# Altium PCB V1.3.PcbDoc
Units mm, origin at the board's own origin, x right, y up, seen from the top; angles counter-clockwise.
Board outline 55 x 36.92 mm, 2 copper layers (Top Layer, Bottom Layer); 80 components, 53 nets, 254 pads, 205 vias.
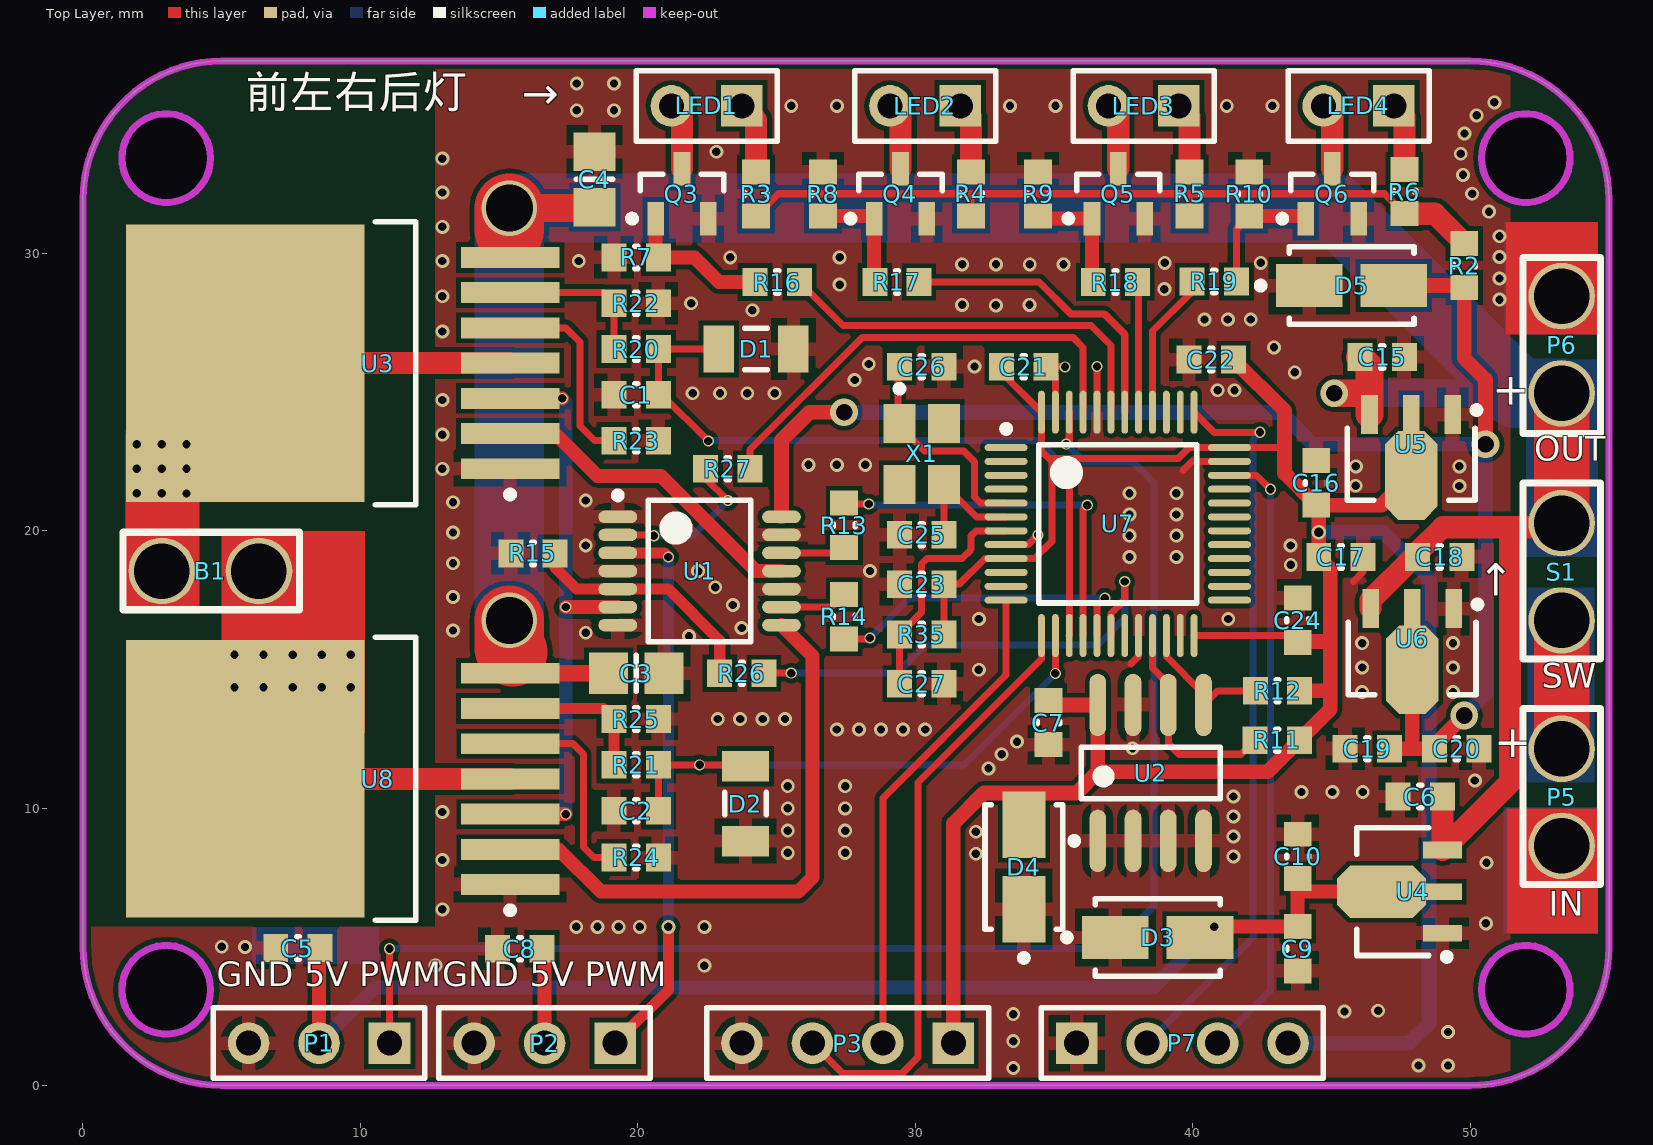
[diagram p0: Top Layer view]
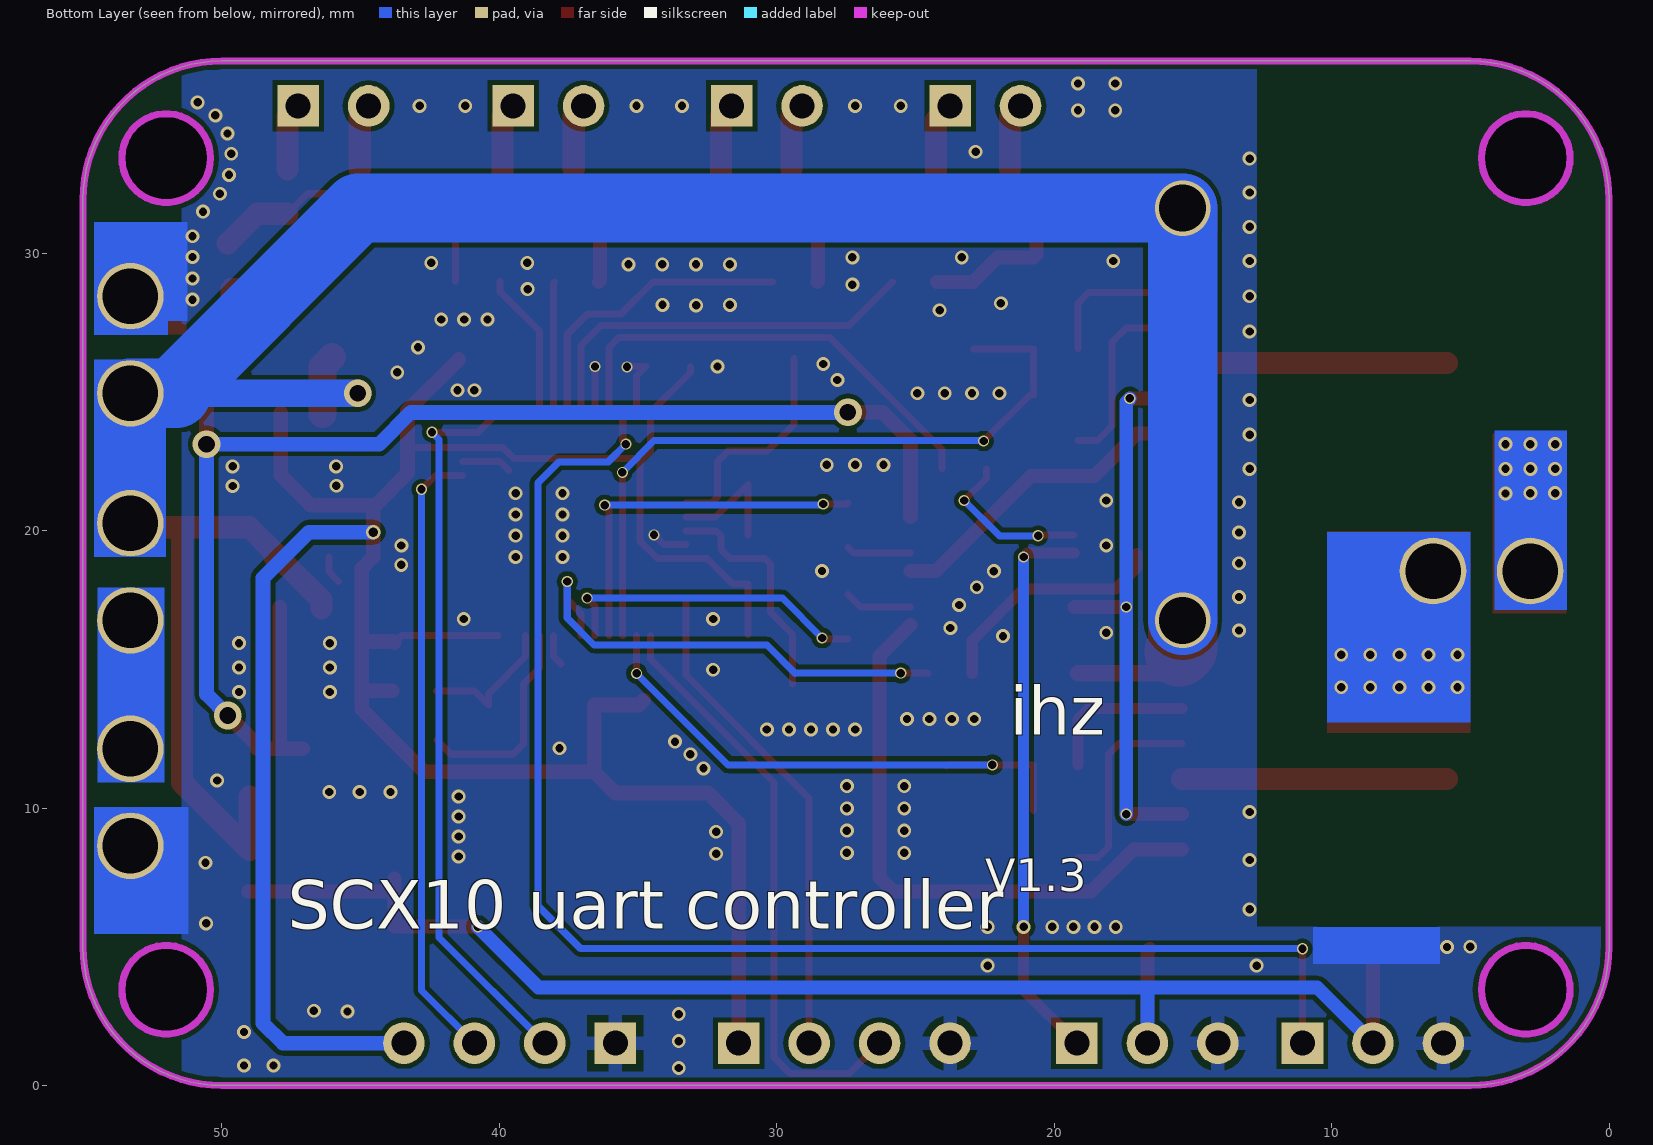
[diagram p1: Bottom Layer view, seen from below]

## Layer stack, top to bottom
Top Solder: solder mask 0.0102, Solder Resist, Dk 3.5
Top Layer: signal copper 0.0356
Dielectric 1: dielectric 0.32, FR-4, Dk 4.8
Bottom Layer: signal copper 0.0356
Bottom Solder: solder mask 0.0102, Solder Resist, Dk 3.5

## Board outline
5,0 cw(c5,5) 0,5 0,31.924 cw(c5,31.924) 5,36.924 50,36.924 cw(c50,31.924) 55,31.924 55,5 cw(c50,5) 50,0
cut-out: 52,31.824 cw(c52,33.424) 50.4,33.424 cw(c52,33.424) 52,35.024 cw(c52,33.424) 53.6,33.424 cw(c52,33.424)
cut-out: 3,31.824 cw(c3,33.424) 1.4,33.424 cw(c3,33.424) 3,35.024 cw(c3,33.424) 4.6,33.424 cw(c3,33.424)
cut-out: 50.4,3.451 ccw(c52,3.451) 52,1.851 ccw(c52,3.451) 53.6,3.451 ccw(c52,3.451) 52,5.051 ccw(c52,3.451)
cut-out: 3,1.851 cw(c3,3.451) 1.4,3.451 cw(c3,3.451) 3,5.051 cw(c3,3.451) 4.6,3.451 cw(c3,3.451)

## Design rules (kind name [scope] priority, off if disabled: settings)
Clearance Clearance_1 [All] p1: gap=0.17 ignorepadtopadclearanceinfootprint=FALSE
Clearance [All vs InPolygon] p2: gap=0.5 ignorepadtopadclearanceinfootprint=FALSE
PolygonConnect [All] p1: connectstyle=Relief reliefconductorwidth=0.5 reliefentries=4 polygonreliefangle="90 Angle" airgapwidth=0.254
RoutingVias [All] p1: holewidth=0.3 width=0.4 viastyle="Through Hole" minholewidth=0.2 minwidth=0.3 maxholewidth=5 maxwidth=5
SolderMaskExpansion [All] p1: expansion=0.102
Width [All] p1: maxlimit=3 minlimit=0.17 preferedwidth=0.254
30 further rules are at their usual default settings.

## Classes and differential pairs
component class SCX10: C21 C22 C23 C24 C25 C26 C27 P7 R35 U7 X1
component class power: C6 C9 C10 C15 C16 C17 C18 C19 C20 D3 D4 D5 P5 P6 S1 U4 U5 U6
component class driver: B1 C1 C2 C3 C4 C5 C7 C8 D1 D2 LED1 LED2 LED3 LED4 P1 P2 P3 Q3 Q4 Q5 Q6 R2 R3 R4 R5 R6 R7 R8 R9 R10 R11 R12 R13 R14 R15 R16 R17 R18 R19 R20 R21 R22 R23 R24 R25 R26 R27 U1 U2 U3 U8

## Components (designator, comment, footprint, x,y, rotation, side; value= is the part's Value field where it differs from the comment)
B1 "Motor" 7.4V 2.842,18.542 r0 top
C1 "0.1uF" C0603 19.939,24.892 r0 top value=100pF
C2 "0.1uF" C0603 19.939,9.906 r0 top value=100pF
C3 "4.7uF/16V" 6-0805_M 19.939,14.859 r180 top value=100pF
C4 "4.7uF/16V" 6-0805_M 18.437,32.655 r270 top value=100pF
C5 "10uF" C0603 7.747,4.953 r0 top value=100pF
C6 "10uF" C0603 48.198,10.414 r0 top value=100pF
C7 "0.1uF" C0603 34.798,13.081 r90 top value=100pF
C8 "10uF" C0603 15.748,4.929 r0 top value=100pF
C9 "0.1uF" C0603 43.778,4.929 r90 top value=100pF
C10 "22uF" C0603 43.778,8.255 r270 top value=100pF
C15 "10uF" C0603 46.822,26.255 r180 top value=100pF
C16 "0.1uF" C0603 44.45,21.717 r270 top value=100pF
C17 "22uF" C0603 45.339,19.05 r180 top value=100pF
C18 "10uF" C0603 48.895,19.05 r180 top value=100pF
C19 "0.1uF" C0603 46.291,12.136 r0 top value=100pF
C20 "22uF" C0603 49.511,12.136 r180 top value=100pF
C21 "0.1uF" C0603 33.909,25.908 r180 top value=100pF
C22 "0.1uF" C0603 40.661,26.162 r0 top value=100pF
C23 "0.1uF" C0603 30.226,18.069 r0 top value=100pF
C24 "0.1uF" C0603 43.778,16.764 r270 top value=100pF
C25 "30pF" C0603 30.226,19.847 r0 top value=100pF
C26 "30pF" C0603 30.226,25.907 r180 top value=100pF
C27 "0.1uF" C0603 30.226,14.478 r180 top value=100pF
D1 "3.6V" C1206 24.257,26.543 r180 top
D2 "3.6V" C1206 23.876,10.16 r90 top
D3 "SMAJ5.0CA" DO-214AC 38.735,5.334 r0 top
D4 "SMAJ5.0CA" DO-214AC 33.909,7.874 r90 top
D5 "SMAJ5.0CA" DO-214AC 45.721,28.829 r0 top
LED1 "F_LED" HDR1X2 23.749,35.306 r180 top
LED2 "L_LED" HDR1X2 31.623,35.306 r180 top
LED3 "R_LED" HDR1X2 39.497,35.306 r180 top
LED4 "B_LED" HDR1X2 47.244,35.306 r180 top
P1 "Header 3" HDR1X3 11.049,1.524 r180 top
P2 "Header 3" HDR1X3 19.177,1.524 r180 top
P3 "Header 4" HDR1X4 31.369,1.524 r180 top
P5 "7.4V" 7.4V 53.292,8.636 r90 top
P6 "7.4V" 7.4V 53.292,28.448 r270 top
P7 "SW" HDR1X4 35.814,1.524 r0 top
Q3 "NPN" SOT23-3 21.589,32.142 r90 top
Q4 "NPN" SOT23-3 29.464,32.142 r90 top
Q5 "NPN" SOT23-3 37.314,32.142 r90 top
Q6 "NPN" SOT23-3 45.024,32.142 r90 top
R2 "0R/NC" R0603 49.784,29.553 r90 top value=1K
R3 "240R" R0603 24.257,32.131 r90 top value=1K
R4 "240R" R0603 32.004,32.131 r90 top value=1K
R5 "240R" R0603 39.881,32.131 r90 top value=1K
R6 "240R" R0603 47.625,32.219 r90 top value=1K
R7 "10K" R0603 19.939,29.845 r180 top value=1K
R8 "10K" R0603 26.67,32.131 r90 top value=1K
R9 "10K" R0603 34.42,32.131 r90 top value=1K
R10 "10K" R0603 42.037,32.131 r90 top value=1K
R11 "10K" R0603 43.041,12.446 r0 top value=1K
R12 "10K" R0603 43.053,14.224 r0 top value=1K
R13 "4.7K" R0603 27.432,20.193 r270 top value=1K
R14 "4.7K" R0603 27.432,16.891 r90 top value=1K
R15 "4.7K" R0603 16.218,19.177 r0 top value=1K
R16 "1K" R0603 25.019,28.956 r180 top
R17 "1K" R0603 29.337,28.956 r180 top
R18 "1K" R0603 37.211,28.956 r180 top
R19 "1K" R0603 40.767,28.979 r0 top
R20 "1K" R0603 19.939,26.543 r180 top
R21 "1K" R0603 19.939,11.557 r0 top
R22 "510R" R0603 19.939,28.194 r0 top value=1K
R23 "510R" R0603 19.939,23.241 r0 top value=1K
R24 "510R" R0603 19.939,8.217 r0 top value=1K
R25 "510R" R0603 19.939,13.208 r0 top value=1K
R26 "4.7K" R0603 23.749,14.853 r180 top value=1K
R27 "4.7K" R0603 23.241,22.225 r180 top value=1K
R35 "10K" R0603 30.226,16.256 r0 top value=1K
S1 "SW-PB" 7.4V 53.292,16.764 r90 top
U1 "SN74LV125A-PW" TSSOP-14 22.225,18.542 r0 top
U2 "24C02" SOP-8 38.481,11.266 r90 top
U3 "BTN7971B" "INF-PG-TO263-7-1_L - Cloned" 9.342,26.035 r180 top
U4 "AMS1117-5V" SOT-89#1 47.923,6.985 r180 top
U5 "AMS1117-3.3V" SOT-89#2 47.87,23.114 r270 top
U6 "AMS1117-5V" SOT-89#2 47.906,16.111 r270 top
U7 "STM32F103C8T6" STM-LQFP48-L 37.296,20.24 r0 top
U8 "BTN7971B" "INF-PG-TO263-7-1_L - Cloned" 9.342,11.049 r180 top
X1 "8M" XTAL-8M 30.226,22.762 r270 top

## Footprints (in the part's own frame and the unit in brackets; to place one, negate y for a bottom-side part, rotate by r counter-clockwise, add the part's x,y. Pads: shape width x height; smd on the part's side, far side on the other; paste and mask are expansions set on the pad)
6-0805_M [mm] "Chip Resistor, Body 2.0x1.2mm, IPC Low Density"
  rect 1.4x1.5 smd: 1(-1,0) 2(1,0)
  silkscreen extent 0,-0.65 0,0.65, body extent -1.07,-0.7 1.07,0.7, height 0.7
7.4V [mm]
  round 2.4 hole 2: 1(0,0) 2(3.5,0)
  silkscreen extent -1.4,-1.4 4.95,1.4
C0603 [mm]
  rect 0.9x1 smd: 1(-0.8,0) 2(0.8,0)
  silkscreen extent -0.05,-0.4 0.05,0.4, body extent -0.87,-0.48 0.88,0.47, height 1
C1206 [mm] "Chip Capacitor, Body 3.2x1.6mm, IPC High Density"
  rect 1.1x1.7 smd: 1(-1.35,0) 2(1.35,0)
  silkscreen extent -0.4,-0.75 0.4,0.75, body extent -1.7,-0.9 1.7,0.9, height 1.3
DO-214AC [mm] "DO-214AC, 2-Leads, Body 4.5x2.79mm, IPC Medium Density"
  rect 2.4x1.55 smd: 1(-1.525,0) 2(1.525,0)
  silkscreen extent -3.4,-1.4 2.25,1.4, body extent -2.25,-1.4 2.25,1.39, height 2.29
HDR1X2 [mm] "Connector; Header; 2 Position"
  rect 1.5x1.5 hole 0.9: 1(0,0)
  round 1.5 hole 0.9: 2(2.54,0)
  silkscreen extent -1.27,-1.27 3.81,1.27
HDR1X3 [mm] "Connector; Header; 3 Position"
  rect 1.5x1.5 hole 0.9: 1(0,0)
  round 1.5 hole 0.9: 2(2.54,0) 3(5.08,0)
  silkscreen extent -1.27,-1.27 6.35,1.27
HDR1X4 [mm] "Connector; Header; 4 Position"
  rect 1.5x1.5 hole 0.9: 1(0,0)
  round 1.5 hole 0.9: 2(2.54,0) 3(5.08,0) 4(7.62,0)
  silkscreen extent -1.27,-1.27 8.89,1.27
"INF-PG-TO263-7-1_L - Cloned" [mm] "DPAK, 8-Leads, Body 10x9.25mm, Pitch 1.27mm, IPC High Density"
  rect 3.55x0.75 smd: 1(-6.05,3.81) 2(-6.05,2.54) 3(-6.05,1.27) 4(-6.05,0) 5(-6.05,-1.27) 6(-6.05,-2.54) 7(-6.05,-3.81)
  rect 8.6x10 smd: 8(3.5,0)
  silkscreen extent -6.18,-5.1 -1.2,5.1, body extent -2.65,-5.1 6.8,5.1, height 4.4
R0603 [mm]
  rect 0.9x1 smd: 1(-0.8,0) 2(0.8,0)
  silkscreen extent -0.05,-0.4 0.05,0.4, body extent -0.85,-0.47 0.85,0.47, height 0.6
SOP-8 [mm]
  oval 2.25x0.6 smd: 1(-2.45,1.905) 2(-2.45,0.635) 3(-2.45,-0.635) 4(-2.45,-1.905) 5(2.45,-1.905) 6(2.45,-0.635) 7(2.45,0.635) 8(2.45,1.905)
  silkscreen extent -2.57,-2.5 0.93,2.88, body extent -2,-2.5 2,2.5, height 1.95
SOT23-3 [mm]
  rect 1.2x0.6 smd: 1(-0.9,0.95) 2(-0.9,-0.95) 3(0.9,0)
  silkscreen extent -1.02,-1.5 0.7,1.92, body extent -0.7,-1.52 0.7,1.52, height 1.12
SOT-89#1 [mm]
  rect 1.4x0.6 smd: 1(-1.075,1.5) 3(-1.075,-1.5)
  rect 1.3x0.6 smd: 2(-1.125,0)
  oct 3.2x1.9 smd: 2(1.125,0)
  silkscreen extent -1.35,-2.3 2.02,2.47, body extent -0.58,-2.3 2.02,2.3, height 1.6
SOT-89#2 [mm]
  rect 1.4x0.6 smd: 1(-1.075,1.5) 3(-1.075,-1.5)
  rect 1.3x0.6 smd: 2(-1.125,0)
  oct 3.2x1.9 smd: 4(1.125,0)
  silkscreen extent -1.35,-2.3 2.02,2.48, body extent -0.58,-2.3 2.02,2.3, height 1.6
STM-LQFP48-L [mm]
  oval 1.55x0.25 smd: 1(-4.025,2.75) 2(-4.025,2.25) 3(-4.025,1.75) 4(-4.025,1.25) 5(-4.025,0.75) 6(-4.025,0.25) 7(-4.025,-0.25) 8(-4.025,-0.75) 9(-4.025,-1.25) 10(-4.025,-1.75) 11(-4.025,-2.25) 12(-4.025,-2.75) 25(4.025,-2.75) 26(4.025,-2.25) 27(4.025,-1.75) 28(4.025,-1.25) 29(4.025,-0.75) 30(4.025,-0.25) 31(4.025,0.25) 32(4.025,0.75) 33(4.025,1.25) 34(4.025,1.75) 35(4.025,2.25) 36(4.025,2.75)
  oval 0.25x1.55 smd: 13(-2.75,-4.025) 14(-2.25,-4.025) 15(-1.75,-4.025) 16(-1.25,-4.025) 17(-0.75,-4.025) 18(-0.25,-4.025) 19(0.25,-4.025) 20(0.75,-4.025) 21(1.25,-4.025) 22(1.75,-4.025) 23(2.25,-4.025) 24(2.75,-4.025) 37(2.75,4.025) 38(2.25,4.025) 39(1.75,4.025) 40(1.25,4.025) 41(0.75,4.025) 42(0.25,4.025) 43(-0.25,4.025) 44(-0.75,4.025) 45(-1.25,4.025) 46(-1.75,4.025) 47(-2.25,4.025) 48(-2.75,4.025)
  silkscreen extent -4.15,-2.85 2.85,3.55, body extent -3.5,-3.5 3.5,3.5, height 1.6
TSSOP-14 [mm] "SOP, 14-Leads, Body 5.1x4.5mm, Pitch 0.65mm, IPC Medium Density"
  oval 1.4x0.45 smd: 1(-2.95,1.95) 2(-2.95,1.3) 3(-2.95,0.65) 4(-2.95,0) 5(-2.95,-0.65) 6(-2.95,-1.3) 7(-2.95,-1.95) 8(2.95,-1.95) 9(2.95,-1.3) 10(2.95,-0.65) 11(2.95,0) 12(2.95,0.65) 13(2.95,1.3) 14(2.95,1.95)
  silkscreen extent -3.07,-2.55 1.85,2.85, body extent -3.21,-2.5 3.21,2.5, height 1
XTAL-8M [mm]
  rect 1.4x1.15 smd: 1(-1.1,-0.8) 2(1.1,-0.8) 3(1.1,0.8) 4(-1.1,0.8)
  silkscreen extent -2.47,-0.92 -2.23,-0.67, body extent -1.6,-1.25 1.6,1.25, height 0.6

## Part data
B1: "Motor, General Kind", LatestRevisionDate=17-Jul-2002, LatestRevisionNote="Re-released for DXP Platform.", PackageDescription="Capacitor (Radial); 2 Leads", PackageReference=RB5-10.5, Published=24-Mar-1999, Publisher="Altium Limited"
C1 C2 C3 C4 C5 C6 C7 C8 C9 C10 C15 C16 C17 C18 C19 C20 C21 C22 C23 C24 C25 C26 C27: library part Cap, "Capacitor", LatestRevisionDate=17-Jul-2002, LatestRevisionNote="Re-released for DXP Platform.", PackageDescription="Radial Cap, Thru-Hole; 2 Leads; 0.3 in Pin Spacing", PackageReference=RAD-0.3, Published=8-Jun-2000, Publisher="Altium Limited"
D1 D2: library part "D Schottky", "Schottky Diode", Code_JEDEC=DO-214-AA, LatestRevisionDate=17-Jul-2002, LatestRevisionNote="Re-released for DXP Platform.", PackageDescription="DO-214-AA/SMB; 2 C-Bend Leads; Body 5.3 x 3.6 mm, inc. leads (LxW)", PackageReference=SMB, Published=8-Jun-2000, Publisher="Altium Limited"
LED1 LED2 LED3 LED4 P5 P6: library part "Header 2", "Header, 2-Pin", LatestRevisionDate=17-Jul-2002, LatestRevisionNote="Re-released for DXP Platform.", Publisher="Altium Limited"
P1 P2: "Header, 3-Pin", LatestRevisionDate=17-Jul-2002, LatestRevisionNote="Re-released for DXP Platform.", Publisher="Altium Limited"
P3: "Header, 4-Pin", LatestRevisionDate=17-Jul-2002, LatestRevisionNote="Re-released for DXP Platform.", Publisher="Altium Limited"
P7: library part "Header 4", "Header, 4-Pin", LatestRevisionDate=17-Jul-2002, LatestRevisionNote="Re-released for DXP Platform.", Publisher="Altium Limited"
R2 R3 R4 R5 R6 R7 R8 R9 R10 R11 R12 R13 R14 R15 R16 R17 R18 R19 R20 R21 R22 R23 R24 R25 R26 R27 R35: library part Res2, "Resistor", LatestRevisionDate=17-Jul-2002, LatestRevisionNote="Re-released for DXP Platform.", PackageDescription="Axial Device, Thru-Hole; 2 Leads; 0.4 in Pin Spacing", PackageReference=AXIAL-0.4, Published=8-Jun-2000, Publisher="Altium Limited"
S1: "Switch", LatestRevisionDate=17-Jul-2002, LatestRevisionNote="Re-released for DXP Platform.", PackageDescription="Switch; 2 Leads", PackageReference=SPST-2, Published=24-Mar-1999, Publisher="Altium Limited"
U3 U8: library part INF-BTN79XXX-PG-TO263-7-1-8
U4 U5 U6: library part AMS1117
X1: library part XTAL-8M

## Via types
v1: diameter 0.5, hole 0.3, Top Layer to Bottom Layer, 174 vias
v2: diameter 0.4, hole 0.3, Top Layer to Bottom Layer, 24 vias
v3: diameter 1, hole 0.6, Top Layer to Bottom Layer, 4 vias
v4: diameter 2, hole 1.7, Top Layer to Bottom Layer, 2 vias
v5: diameter 0.53, hole 0.35, Top Layer to Bottom Layer, 1 vias

## Nets (pads, with @x,y where several pads share a name; then routed paths per layer and width w, separated by ;. In a path a pad name is that pad's centre, name@x,y a point inside that pad or via, vN(x,y) a via of type N, cw(c..) or ccw(c..) an arc to the next point about the centre after c; other vN are vias at no path point)
3.3V: C7.2 C16.2 C17.2 C21.2 C22.2 C23.2 C24.2 D4.2 P3.1 P7.4 R11.2 R12.2 R35.2 U2.8 U5.2 U5.4 U7.9 U7.24 U7.36 U7.48 | length 101.9
  Top Layer w0.254: R35.2 31.026,18.069 31.582,18.069 32.503,18.99 U7.9 34.298,18.99 34.917,19.609 34.917,22.488 34.81,22.595 ; C21.2 33.109,25.702 U7.48 34.546,22.859 34.81,22.595 ; U7.24 43.527,16.215 C24.2 ; 43.307,22.987 43.304,22.99 U7.36 39.87,22.99 39.475,22.595 34.81,22.595
  Top Layer w0.53: P3.1 31.369,9.439 32.471,10.541 35.814,10.541 36.576,11.303 ; C7.2 34.963,13.716 U2.8 36.576,11.303 ; C22.2 43.307,24.316 43.307,22.987 43.307,22.06 C16.2 ; C24.2 43.816,16.002 44.958,16.002 ; R12.2 44.958,14.224 ; U5.2 U5.4 46.798,20.917 C16.2 ; 36.576,11.303 42.698,11.303 R11.2 44.958,13.563 44.958,14.224 ; C16.2 44.539,20.828 v5(44.539,19.939) C17.2 44.958,18.631 44.958,16.002 ; 44.958,14.224 44.958,16.002
  Bottom Layer w0.53: P7.4 47.79,1.524 48.514,2.248 48.514,18.288 46.863,19.939 v5(44.539,19.939)
5V: C19.2 C20.2 D5.2 R2.1 U1.14 U6.2 U6.4 | length 56
  Top Layer w0.53: U1.14@25.175,20.502 25.175,23.256 26.184,24.265 v3(27.432,24.265) ; C19.2 47.901,12.136 ; D5.2 49.708,28.829 R2.1 49.784,26.213 50.546,25.451 v3(50.546,23.114) ; U6.2 U6.4 47.906,12.142 47.901,12.136 ; v3(49.784,13.335) 48.711,12.262 C20.2 47.901,12.136
  Bottom Layer w0.53: v3(27.432,24.265) 27.44,24.257 43.18,24.257 44.323,23.114 v3(50.546,23.114) 50.546,14.097 v3(49.784,13.335)
7.4V: C3.2 C4.2 C6.2 C15.2 C18.2 P6.2 S1.2 U3.7 U4.3 U5.3 U6.3 U8.7 | length 102
  Top Layer w0.6: U8.7 C3.2 C3.2@19.139,14.859
  Top Layer w0.8: U6.3 46.406,17.492 47.964,19.05 C18.2 48.095,19.206 49.009,20.12 51.435,20.12 ; C6.2 U4.3 51.435,10.922 51.435,20.12 ; S1.2 53.292,20.12 51.435,20.12
  Top Layer w1: v4(15.367,31.623) 18.405,31.623 C4.2 ; v3(45.099,24.948) 46.125,24.948 ; C15.2 46.37,25.907 U5.3
  Top Layer w2: S1.2 P6.2
  Top Layer w2.5: v4(15.367,16.764) 15.367,15.748 15.494,15.621 ; v4@15.367,30.823 v4(15.367,31.623)
  Bottom Layer w1: v3(45.099,24.948) 51.633,24.948
  Bottom Layer w2.5: v4(15.367,16.764) v4(15.367,31.623) 45.085,31.623 51.76,24.948 ; 51.633,24.948 51.76,24.948 ; P6.2 51.76,24.948
acc_PWM: P1.1 U7.46 | length 51.8
  Top Layer w0.254: P1.1 v2(11.049,4.929) ; v2(35.433,23.114) 35.546,23.227 U7.46
  Bottom Layer w0.254: v2(11.049,4.929) 37.06,4.929 38.608,6.477 38.608,21.717 37.846,22.479 36.068,22.479 v2(35.433,23.114)
ADC1: C1.2 D1.2 R20.1 U7.15 | length 25.7
  Top Layer w0.254: v2(22.539,23.227) 20.874,24.892 C1.2 R20.1 D1.2 ; U7.15 35.56,16.229 v2(35.56,22.098)
  Bottom Layer w0.254: v2@22.542,23.241 34.417,23.241 v2(35.56,22.098)
ADC2: C2.2 D2.2 R21.2 U7.14 | length 20.4
  Top Layer w0.254: C2.2 R21.2 v2(22.225,11.557) 23.829,11.557 D2.2 ; v2@35.046,14.794 v2(35.046,14.853) U7.14
  Bottom Layer w0.254: v2(22.225,11.557) 31.75,11.557 v2(35.046,14.853)
B_LED: R16.1 U7.43 | length 14.6
  Top Layer w0.254: R16.1 27.386,27.389 36.333,27.389 37.046,26.676 U7.43
CH1: R13.1 U7.16 | length 13.6
  Top Layer w0.254: R13.1 27.47,20.955 v2(28.321,20.955) ; U7.16 36.046,20.768 v2(36.195,20.917)
  Bottom Layer w0.254: v2(28.321,20.955) 28.359,20.917 v2(36.195,20.917)
CH2: R14.1 U7.17 | length 11.5
  Top Layer w0.254: R14.1 28.321,16.091 v2(28.359,16.129) ; U7.17 36.546,17.28 v2(36.83,17.564)
  Bottom Layer w0.254: v2(28.359,16.129) 29.794,17.564 v2(36.83,17.564)
EN: U1.6 U3.3 U8.3 | length 20.8
  Top Layer w0.5: U8.3 v2(17.399,9.779) ; U3.3 v2(17.272,24.765) ; v2(17.399,17.242) U1.6
  Bottom Layer w0.5: v2(17.272,24.765) 17.399,24.638 v2(17.399,17.242) v2(17.399,9.779)
EN_Motor: R26.1 U7.18 | length 17.3
  Top Layer w0.254: R26.1 24.555,14.859 v2(25.527,14.859) ; U7.18 37.046,17.004 37.546,17.504 v2(37.546,18.161)
  Bottom Layer w0.254: v2(25.527,14.859) 29.325,14.859 29.331,14.853 30.353,15.875 36.576,15.875 37.546,16.845 v2(37.546,18.161)
F_LED: R19.1 U7.40 | length 5.3
  Top Layer w0.254: U7.40 38.546,27.186 39.967,28.607 R19.1
GND: C1.1 C2.1 C3.1 C4.1 C5.1 C6.1 C7.1 C8.1 C9.1 C10.1 C15.1 C16.1 C17.1 C18.1 C19.1 C20.1 C21.1 C22.1 C23.1 C24.1 C25.1 C26.1 C27.1 D1.1 D2.1 D3.1 D4.1 D5.1 P1.3 P2.3 P3.4 P5.1 P6.1 P7.1 Q3.2 Q4.2 Q5.2 Q6.2 R7.2 R8.2 R9.2 R10.2 R15.1 R22.2 R23.2 R24.2 R25.2 U1.1 U1.4 U1.7 U1.10 U1.13 U2.1 U2.2 U2.3 U2.4 U2.7 U3.1 U4.1 U5.1 U6.1 U7.8 U7.20 U7.23 U7.35 U7.44 U7.47 U8.1 | length 9.4
  Top Layer w0.254: U7.8 34.06,19.49 v2(34.417,19.847) ; U7.47 35.046,25.571 C21.1 35.386,25.908 v2(35.395,25.899) ; v2(36.544,25.912) 36.546,25.909 U7.44 ; 37.778,15.2 38.046,15.468 U7.20 ; 39.651,22.171 39.97,22.49 U7.35 ; 45.785,18.161 46.139,18.515 C17.1
  other v1: 33.528,0.628 48.133,0.72 49.199,0.72 33.528,1.599 49.199,1.925 33.528,2.571 45.466,2.667 46.679,2.693 12.7,4.318 22.395,4.318 5,5 5.842,4.99 17.78,5.715 18.542,5.715 19.304,5.715 20.066,5.715 22.395,5.715 50.561,5.842 12.954,6.349 50.582,8.029 12.954,8.128 41.461,8.255 32.182,8.351 25.4,8.382 27.47,8.382 41.461,8.975 32.182,9.144 25.4,9.185 27.47,9.185 41.461,9.694 12.954,9.857 25.4,9.987 27.47,9.987 41.461,10.414 43.919,10.576 45.03,10.576 46.125,10.576 25.4,10.79 27.47,10.79 50.165,10.989 32.639,11.43 33.109,11.938 37.824,12.152 33.666,12.392 27.17,12.827 27.966,12.827 28.762,12.827 29.557,12.827 30.353,12.827 22.876,13.208 23.685,13.208 24.494,13.208 25.303,13.208 46.101,14.183 49.374,14.183 32.289,14.984 46.101,15.062 49.374,15.062 46.101,15.942 49.374,15.942 21.844,16.196 18.121,16.316 13.335,16.396 23.738,16.487 32.289,16.812 41.275,16.812 23.421,17.314 13.335,17.605 22.789,17.959 22.17,18.538 28.365,18.542 43.528,18.762 13.335,18.823 37.719,19.05 39.407,19.05 18.121,19.459 43.527,19.463 37.721,19.815 39.408,19.815 13.335,19.931 37.719,20.58 39.407,20.58 13.335,21.018 18.121,21.082 37.719,21.346 39.407,21.346 45.87,21.613 49.607,21.605 12.954,22.225 45.876,22.315 49.607,22.315 26.147,22.369 27.17,22.369 28.194,22.369 12.954,23.458 12.954,24.709 21.971,24.948 22.956,24.948 23.942,24.948 24.927,24.948 40.894,25.059 41.503,25.059 27.813,25.426 43.674,25.702 32.131,25.912 28.321,26.005 42.926,26.603 12.954,27.175 40.422,27.608 41.264,27.608 42.086,27.608 24.126,27.94 32.9,28.116 31.685,28.133 34.116,28.133 21.918,28.194 51.054,28.321 12.954,28.444 38.976,28.702 27.27,28.864 51.054,29.083 31.685,29.595 32.903,29.595 34.122,29.595 35.341,29.595 38.989,29.649 42.448,29.649 12.954,29.718 17.867,29.718 23.326,29.845 27.27,29.845 51.054,29.858 51.054,30.607 12.954,30.947 50.673,31.496 50.068,32.139 12.954,32.181 49.735,32.82 12.954,33.405 49.656,33.582 22.829,33.655 49.79,34.313 50.228,34.963 17.795,35.144 19.139,35.144 25.527,35.306 27.17,35.306 33.409,35.306 35.052,35.306 41.224,35.306 42.868,35.306 50.869,35.433 17.795,36.11 19.139,36.11
L_LED: R18.1 U7.41 | length 4.7
  Top Layer w0.254: R18.1 38.046,28.921 U7.41
NetB1_1: B1.1 U3.4 U3.8 | length 9.6
  Top Layer w0.8: U3.8 U3.4
  other v1: 3.729,21.336 1.941,21.349 2.835,21.349 1.941,22.225 2.835,22.225 3.729,22.225 1.941,23.114 2.835,23.114 3.729,23.114
NetB1_2: B1.2 U8.4 U8.8 | length 9.6
  Top Layer w0.8: U8.8 U8.4
  other v1: 5.461,14.351 6.509,14.351 7.556,14.351 8.604,14.351 9.652,14.351 5.461,15.524 6.509,15.524 7.556,15.524 8.604,15.524 9.652,15.524
NetLED1_1: LED1.1 R3.2 | length 2.6
  Top Layer w0.8: LED1.1 24.257,34.798 R3.2
NetLED1_2: LED1.2 Q3.3 | length 2.4
  Top Layer w0.8: LED1.2 21.589,34.926 Q3.3
NetLED2_1: LED2.1 R4.2 | length 2.5
  Top Layer w0.8: LED2.1 32.004,34.925 R4.2
NetLED2_2: LED2.2 Q4.3 | length 2.4
  Top Layer w0.8: LED2.2 29.464,34.925 Q4.3
NetLED3_1: LED3.1 R5.2 | length 2.5
  Top Layer w0.8: LED3.1 39.881,34.922 R5.2
NetLED3_2: LED3.2 Q5.3 | length 2.4
  Top Layer w0.8: LED3.2 37.314,34.949 Q5.3
NetLED4_1: LED4.1 R6.2 | length 2.4
  Top Layer w0.8: LED4.1 47.625,34.925 R6.2
NetLED4_2: LED4.2 Q6.3 | length 2.4
  Top Layer w0.8: LED4.2 45.024,34.986 Q6.3
NetP5_2: P5.2 S1.1 | length 4.6
  Top Layer w2: P5.2 S1.1
NetQ3_1: Q3.1 R7.1 R16.2 | length 5.3
  Top Layer w0.5: Q3.1 20.639,29.945 R7.1 22.036,29.845 22.925,28.956 R16.2
NetQ4_1: Q4.1 R8.1 R17.2 | length 4.2
  Top Layer w0.5: R8.1 28.425,31.331 Q4.1 28.514,28.979 R17.2
NetQ5_1: Q5.1 R9.1 R18.2 | length 4.3
  Top Layer w0.5: R9.1 34.509,31.242 Q5.1 36.364,29.003 R18.2
NetQ6_1: Q6.1 R10.1 R19.2 | length 4.7
  Top Layer w0.254: R19.2 41.567,30.861 R10.1
  Top Layer w0.5: R10.1 43.985,31.331 Q6.1 Q6.1@44.104,31.212
NetR2_2: R2.2 R3.1 R4.1 R5.1 R6.1 | length 28.2
  Top Layer w0.254: R3.1 25.065,32.139 32.004,32.139 ; R4.1 32.004,32.139 ; R5.1 39.881,32.136 39.878,32.139 ; R6.1 46.905,32.139 39.878,32.139 ; 32.004,32.139 39.878,32.139
  Top Layer w0.8: R6.1 48.718,31.419 R2.2
NetR13_2: R13.2 U1.12 | length 2.3
  Top Layer w0.254: U1.12 27.231,19.192 R13.2
NetR14_2: R14.2 U1.9 | length 2.4
  Top Layer w0.254: U1.9 26.983,17.242 R14.2
NetR15_2: R15.2 R26.2 U1.5 | length 8.7
  Top Layer w0.4: R15.2 17.018,18.669 17.795,17.892 U1.5 21.097,17.892 22.949,16.04 R26.2
NetR20_2: R20.2 R22.1 U3.6 | length 5.6
  Top Layer w0.254: U3.6 18.758,28.575 R22.1 R20.2
NetR21_1: R21.1 R25.1 U8.6 | length 5.6
  Top Layer w0.4: U8.6 18.758,13.589 R25.1 R21.1
NetR23_1: R23.1 U3.5 | length 7.2
  Top Layer w0.254: U3.5 17.399,27.305 17.907,26.797 17.907,23.771 18.437,23.241 R23.1
NetR24_1: R24.1 U8.5 | length 7.4
  Top Layer w0.254: U8.5 17.653,12.319 18.034,11.938 18.034,8.598 18.415,8.217 R24.1
NetR27_2: R27.2 U1.2 | length 6
  Top Layer w0.254: U1.2 20.544,19.842 v2(20.574,19.812) ; R27.2 22.441,21.882 v2(23.241,21.082)
  Bottom Layer w0.254: v2(20.574,19.812) 21.971,19.812 v2(23.241,21.082)
OSC_I: C26.2 U7.5 X1.1 | length 8.2
  Top Layer w0.254: C26.2@29.376,26.197 29.376,23.817 30.328,22.865 31.745,22.865 32.131,22.479 32.131,21.209 32.35,20.99 U7.5
OSC_O: C25.2 U7.6 X1.3 | length 4.5
  Top Layer w0.254: C25.2 X1.3 32.198,20.49 U7.6
PWMA: U1.11 U3.2 | length 11.8
  Top Layer w0.5: U3.2 17.018,23.495 18.542,21.971 20.828,21.971 24.257,18.542 U1.11
PWMB: U1.8 U8.2 | length 21.3
  Top Layer w0.5: U8.2 17.145,8.509 18.669,6.985 25.781,6.985 26.289,7.493 26.289,15.478 U1.8
R_LED: R17.1 U7.42 | length 11
  Top Layer w0.254: R17.1 34.455,28.956 35.598,27.813 36.806,27.813 37.546,27.073 U7.42
RES: C27.2 R35.1 U7.7 | length 8.5
  Top Layer w0.254: C27.2 R35.1 30.226,17.056 30.226,18.796 30.42,18.99 31.685,18.99 32.004,19.309 32.004,19.812 32.182,19.99 U7.7
RX: P3.3 U7.13 | length 21.6
  Top Layer w0.254: P3.3 27.389,0.424 29.507,0.424 30.099,1.016 30.099,10.922 34.546,15.369 U7.13
SCL: R11.1 U2.6 U7.21 | length 7.6
  Top Layer w0.254: U7.21 38.546,15.048 39.116,14.478 U2.6 39.116,12.319 39.497,11.938 41.733,11.938 R11.1
SDA: R12.1 U2.5 U7.22 | length 5.1
  Top Layer w0.254: U7.22 39.046,15.455 40.386,14.115 U2.5 40.894,14.224 R12.1
SPO: P2.1 U1.3 | length 20.2
  Top Layer w0.4: P2.1 21.097,3.444 v1(21.097,5.715) ; U1.3 20.955,19.192 v2(21.097,19.05)
  Bottom Layer w0.4: v1(21.097,5.715) v2(21.097,19.05)
steer_5V: C5.2 C8.2 C9.2 C10.2 D3.2 P1.2 P2.2 U4.2 | length 52.9
  Top Layer w0.5: P1.2 8.509,4.915 C5.2 ; C8.2 16.637,4.84 P2.2 ; v2(40.767,5.715) 40.781,5.729 C9.2 43.778,6.985 ; C10.2 43.778,6.985 ; U4.2@49.048,6.985 46.798,6.985 43.778,6.985
  Bottom Layer w0.5: P1.2 10.515,3.53 16.637,3.53 ; P2.2 16.637,3.53 ; v2(40.767,5.715) 38.582,3.53 16.637,3.53
steer_PWM: R27.1 U7.45 | length 16.9
  Top Layer w0.254: R27.1 24.041,22.917 28.089,26.965 35.684,26.965 36.046,26.603 U7.45
SWD: P7.3 U7.34 | length 22.4
  Top Layer w0.254: U7.34 42.299,21.99 v2(42.799,21.49)
  Bottom Layer w0.254: P7.3 42.799,3.429 v2(42.799,21.49)
SWK: P7.2 U7.37 | length 26.4
  Top Layer w0.254: U7.37 40.769,23.542 v2(42.418,23.542)
  Bottom Layer w0.254: P7.2 42.164,5.334 42.164,23.288 v2(42.418,23.542)
TX: P3.2 U7.12 | length 17.8
  Top Layer w0.254: P3.2 28.829,10.352 33.271,14.794 U7.12
pads on no net: U7.1 U7.2 U7.3 U7.4 U7.10 U7.11 U7.19 U7.25 U7.26 U7.27 U7.28 U7.29 U7.30 U7.31 U7.32 U7.33 U7.38 U7.39 X1.2 X1.4

## Polygon pours and split planes (outlines as drawn)
GND on Top Layer "Top Layer-GND" (solid, remove dead copper, pour order 22): 0,0 0,5.715 12.686,5.715 12.7,5.729 12.7,36.924 51.435,36.924 51.435,0
GND on Bottom Layer "Bottom Layer-GND" (solid, remove dead copper, pour order 24): 0,0 0,5.715 12.7,5.715 12.7,36.924 51.435,36.924 51.435,0

## Keep-outs
Keep-Out Layer:
  circle w0.254: c3,3.451 r1.6
  circle w0.254: c52,3.451 r1.6
  circle w0.254: c52,33.424 r1.6
  circle w0.254: c3,33.424 r1.6
  lines w0.254: 0,5 ccw(c5,5) 5,0 50,0 ccw(c50,5) 55,5 55,31.924 ccw(c50,31.924) 50,36.924 5,36.924 ccw(c5,31.924) 0,31.924 0,5

## Other copper
Top Layer:
  rectangle net GND: 51.271,27.061 54.61,31.115
  rectangle net GND: 51.318,5.485 54.61,9.983
  rectangle net NetB1_1: 1.524,17.018 4.191,23.495
  rectangle net NetB1_2: 5,12.7 10.16,19.99
Bottom Layer:
  rectangle net NetB1_2: 5,13.081 10.162,19.956
  rectangle net NetB1_1: 1.522,17.145 4.131,23.604
  rectangle net NetP5_2: 52.07,10.922 54.483,17.941
  rectangle net 7.4V: 52,19.05 54.61,26.162
  rectangle net GND: 6.096,4.386 10.668,5.715
  rectangle net GND: 51.943,27.051 54.61,27.686
  rectangle net GND: 51.242,27.559 54.61,31.115
  rectangle net GND: 51.199,5.461 54.61,10.033

## Silkscreen, mask and mechanical layers (free items; w line width, h text height)
Top Overlay:
  text "前左右后灯" at 5.842,34.842 h2
  text "→" at 15.814,34.798 h2
  text "+" at 50.8,24.13 h2
  text "OUT" at 52.312,22.225 h1.5
  text "→" at 51.816,17.564 h2 r90
  text "SW" at 52.578,14.055 h1.5
  text "+" at 50.869,11.43 h2
  text "IN" at 52.832,5.82 h1.5
  text "GND 5V PWM" at 4.826,3.293 h1.5
  text "GND 5V PWM" at 12.954,3.293 h1.5
Bottom Overlay:
  text "ihz" at 21.59,12.065 h3
  text "V1.3" at 22.479,6.61 h2
  text "SCX10 uart controller" at 47.625,5.08 h3